# Altium PCB IT_Asset_Tracking_Rack_Controller-H743.PcbDoc (part 4 of 4)
Units mm, origin at the board's own origin, x right, y up, seen from the top; angles counter-clockwise.
Board outline 130 x 85 mm, 4 copper layers (Top Layer, MidLayer1, MidLayer2, Bottom Layer), stack 1.98 mm thick; 255 components, 233 nets, 1248 pads, 674 vias.
Unrouted connection lines stored in the file: 9.
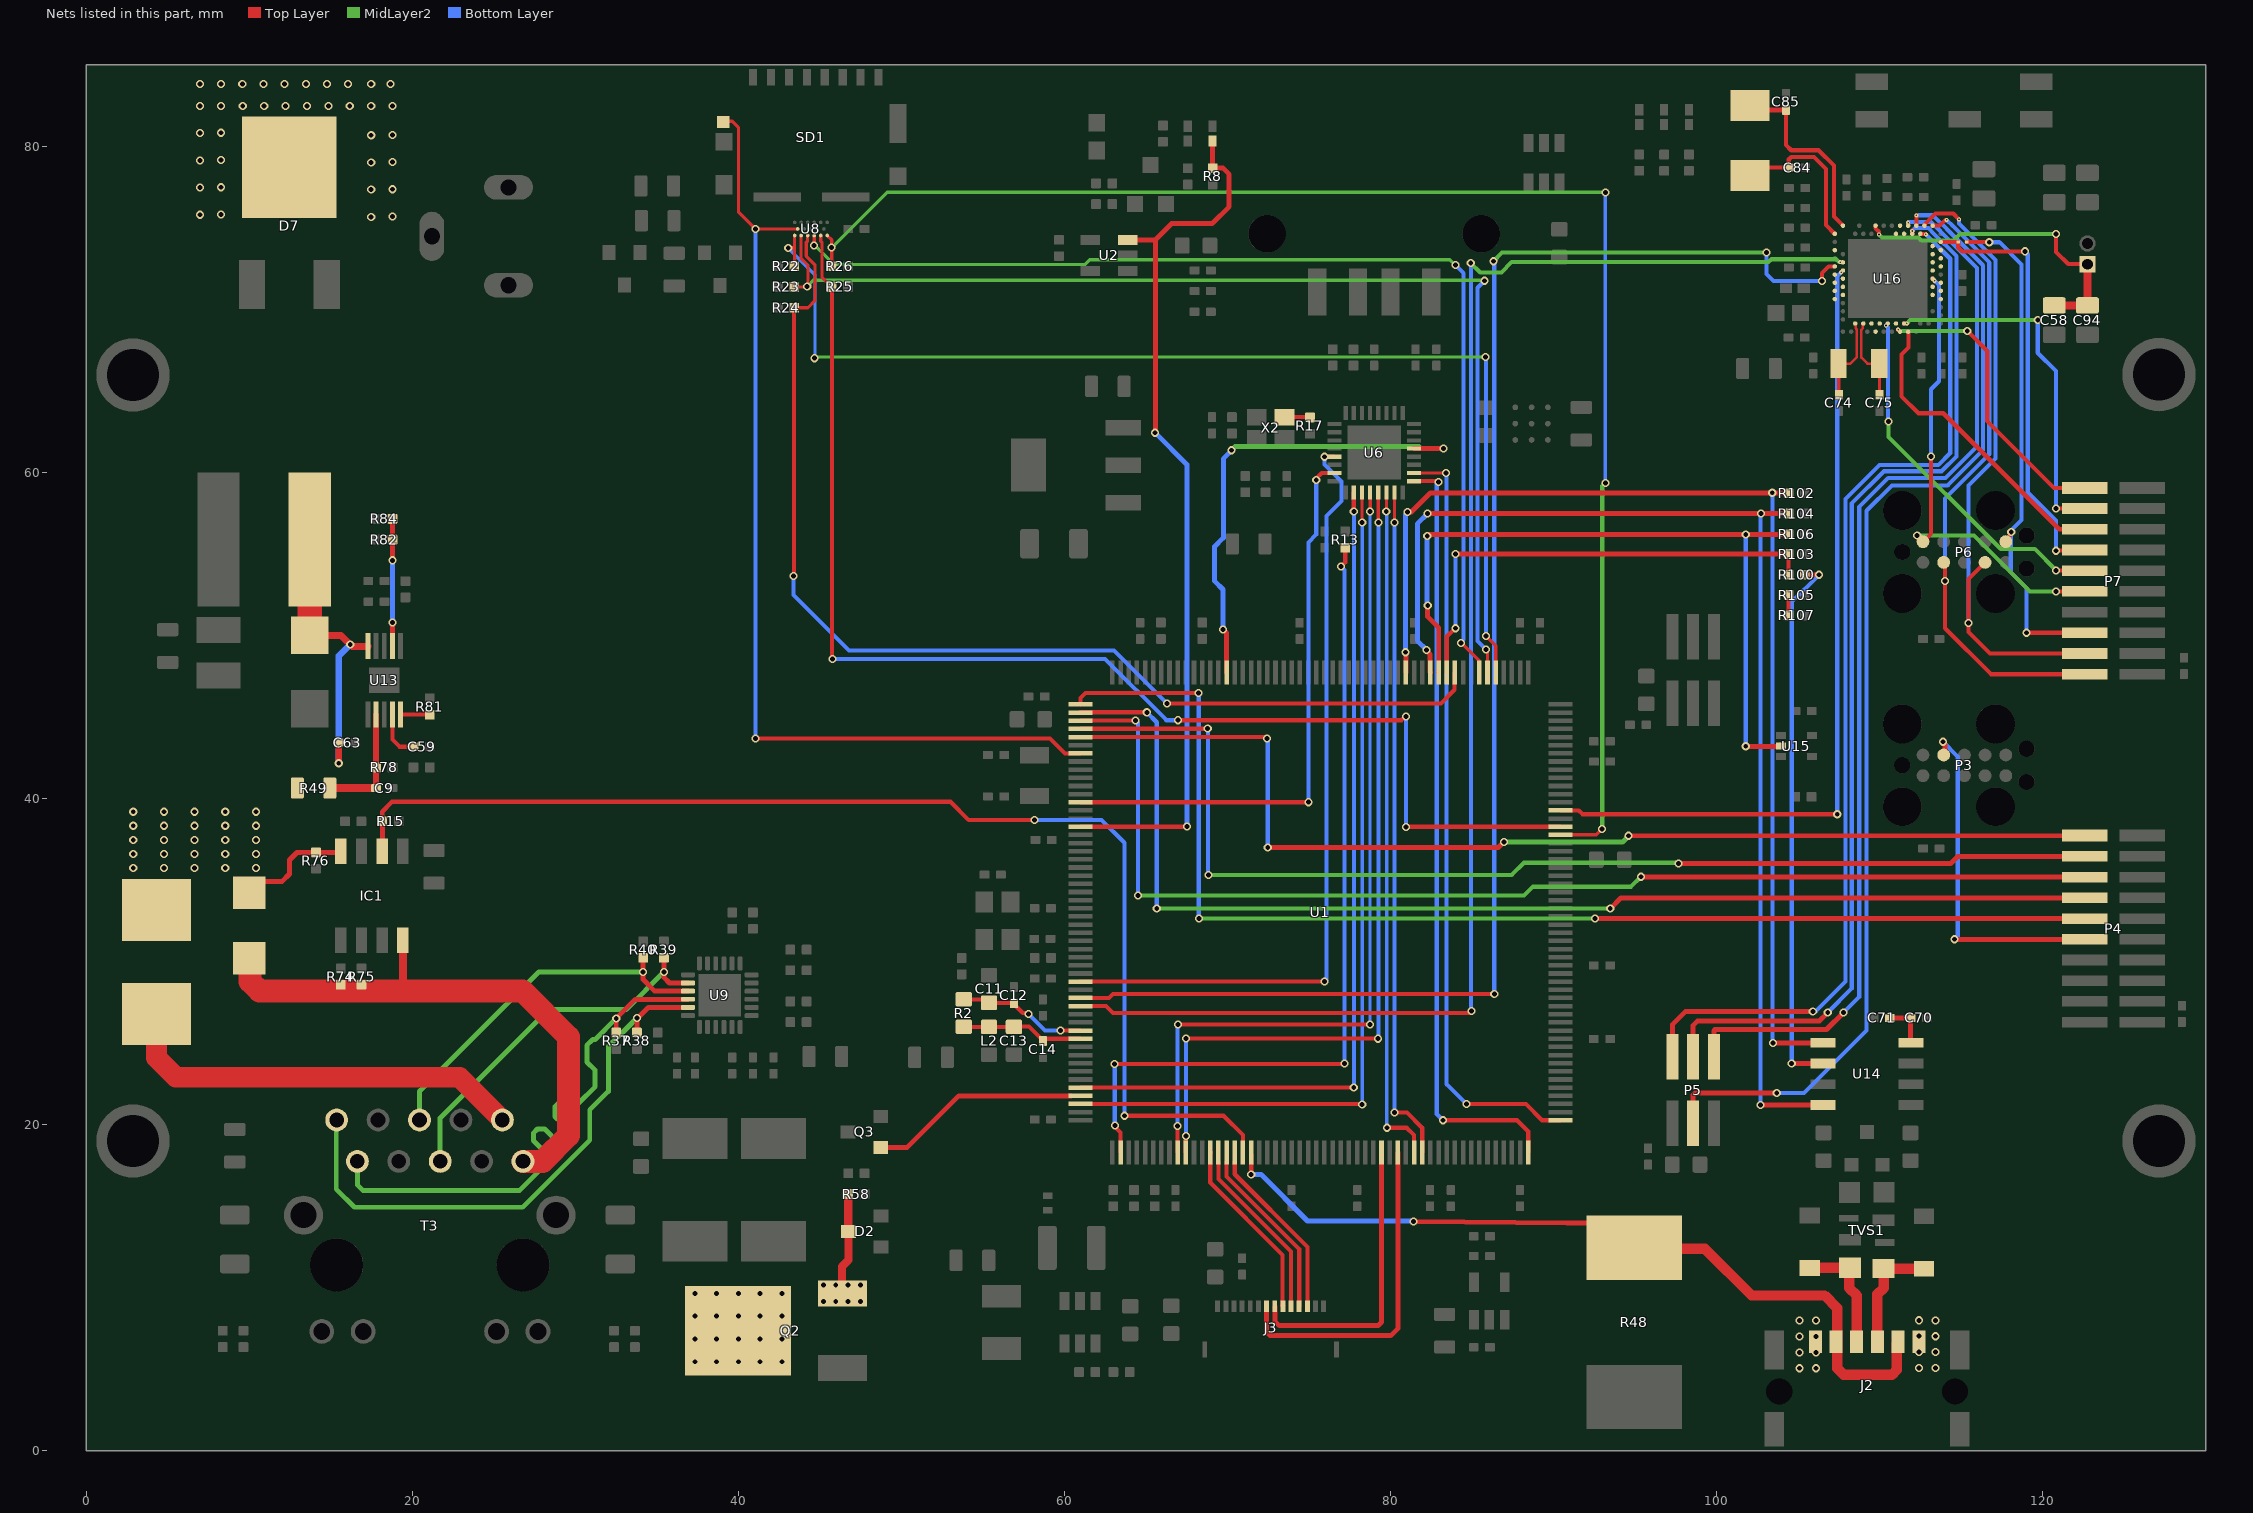
[diagram p6: the nets of this part, all layers, seen from the top]

## Via types
v1: diameter 0.5, hole 0.3, Top Layer to Bottom Layer, tented both sides, 626 vias
v2: diameter 0.61, hole 0.305, Top Layer to Bottom Layer, tented both sides, 16 vias
v3: diameter 0.25, hole 0.1, Top Layer to Bottom Layer, tented both sides, 16 vias
v4: diameter 0.6, hole 0.3, Top Layer to Bottom Layer, tented both sides, 9 vias
v5: diameter 0.3, hole 0.2, Top Layer to Bottom Layer, tented bottom, 5 vias
v6: diameter 0.5, hole 0.3, Top Layer to Bottom Layer, 2 vias

## Nets (pads, with @x,y where several pads share a name; then routed paths per layer and width w, separated by ;. In a path a pad name is that pad's centre, name@x,y a point inside that pad or via, vN(x,y) a via of type N, cw(c..) or ccw(c..) an arc to the next point about the centre after c; other vN are vias at no path point) (continued)
NFC2: C58.2 C94.2 P1.1 U16.J24 | length 19.7
  Top Layer w0.254: U16.J24@109.74,75.132 109.744,75.128 109.744,74.97 109.957,74.758 v3@109.957,74.6 ; v1(120.802,74.621) 120.802,73.525 121.556,72.771 P1.1@122.736,72.771
  Top Layer w0.508: C58.2@120.701,70.242 C94.2@122.733,70.242 122.734,70.244 122.734,72.769 P1.1@122.736,72.771
  MidLayer2 w0.254: v3(109.955,74.594) 109.955,74.576 110.134,74.397 112.366,74.397 112.543,74.219 114.529,74.219 114.932,74.621 v1(120.802,74.621)
NJTRST: P3.9 P4.10 | length 21.5
  Top Layer w0.305: v1(113.868,43.485) 114.011,43.342 114.011,42.764 P3.9@113.919,42.672 ; v1(114.579,31.369) 122.466,31.369 122.517,31.42 P4.10@122.568,31.369
  Bottom Layer w0.254: v1(113.868,43.485) 114.779,42.574 114.779,31.568 v1(114.579,31.369)
NRF_CTS: P5.4 U16.V23 | length 65.9
  Top Layer w0.254: U16.V23@111.99,74.632 v3@111.99,74.831
  Top Layer w0.305: P5.4@98.552,24.155 98.552,26.09 98.827,26.365 106.299,26.365 v1(106.807,26.873)
  Bottom Layer w0.254: v1(106.807,26.873) 108.276,28.342 108.276,58.086 110.261,60.071 113.792,60.071 114.702,60.981 114.702,73.26 113.335,74.627 113.335,74.631 112.985,74.981 112.166,74.981 v3(111.989,74.803)
NRF_MISO: U1.37 U16.A16 | length 93.7
  Top Layer w0.254: U1.37@60.973,27.77 62.72,27.77 62.967,28.016 v1(86.36,28.016) ; v1(106.451,71.735) 106.451,72.217 106.866,72.632 U16.A16@107.24,72.632
  MidLayer2 w0.254: v1(86.309,72.949) 86.843,73.482 v1(103.048,73.482)
  Bottom Layer w0.254: v1(86.309,72.949) 86.36,72.898 v1(86.36,28.016) ; v1(103.048,73.482) 103.048,72.165 103.477,71.735 v1(106.451,71.735)
NRF_MOSI: U1.38 U16.B17 | length 93.6
  Top Layer w0.203: v3(107.569,72.898) 107.577,72.89 107.732,72.89 U16.B17@107.74,72.882
  Top Layer w0.254: U1.38@60.973,27.27 62.544,27.27 62.967,26.848 84.836,26.848 v1(84.963,26.975)
  MidLayer2 w0.254: v1(84.912,72.847) 85.496,72.263 86.792,72.263 87.427,72.898 103.176,72.898 103.35,73.072 107.316,73.072 107.49,72.898 v3(107.569,72.898)
  Bottom Layer w0.254: v1(84.912,72.847) 84.938,72.822 84.938,27 v1(84.963,26.975)
NRF_RESET: P6.10 P7.10 U16.AC13 | length 28.9
  Top Layer w0.254: v1(112.293,56.134) 112.293,56.109 P6.10@112.649,55.753 113.132,56.236 v1(113.132,60.985) ; U16.AC13@113.24,71.882 113.24,71.876 v3(113.36,71.755) ; v1(120.802,52.705) P7.10@122.568,52.705
  MidLayer2 w0.254: v1(112.293,56.134) 115.773,56.134 119.202,52.705 v1(120.802,52.705)
  Bottom Layer w0.254: v1(113.132,60.985) 113.132,65.1 113.623,65.592 113.623,71.492 v3(113.36,71.755)
NRF_RTS: P5.2 U16.Y23 | length 65.3
  Top Layer w0.254: U16.Y23@112.49,74.632 112.494,74.628 112.799,74.628 v3(112.827,74.6)
  Top Layer w0.305: P5.2@97.282,24.155 97.282,26.136 98.095,26.949 v1(105.893,26.949)
  Bottom Layer w0.254: v1(105.893,26.949) 106.07,26.949 107.895,28.774 107.895,58.364 109.984,60.452 113.589,60.452 114.321,61.185 114.321,73.102 112.954,74.47 112.954,74.473 v3(112.827,74.6)
NRF_RX: P5.3 U16.W24 | length 71.8
  Top Layer w0.254: U16.W24@112.243,75.185 v3(112.243,75.768)
  Top Layer w0.305: P5.3@98.552,20.091 98.552,21.819 98.679,21.946 v1(103.683,21.946)
  Bottom Layer w0.254: v1(103.683,21.946) 105.361,21.946 109.195,25.779 109.195,25.857 109.195,57.649 110.743,59.198 114.164,59.198 116.336,61.37 116.336,72.704 114.097,74.943 114.097,74.946 113.275,75.768 v3(112.243,75.768)
NRF_SCK: U1.143 U16.B15 | length 50.6
  Top Layer w0.203: v3@107.632,72.274 U16.B15@107.74,72.382
  Top Layer w0.254: U1.143@90.411,39.27 91.54,39.27 91.77,39.04 v1(107.391,39.04)
  Bottom Layer w0.254: v1(107.391,39.04) 107.391,72.034 v3@107.628,72.271
  other v3: 107.63,72.271
NRF_SWDCK: P6.4 P7.4 U16.AA24 | length 41.3
  Top Layer w0.254: U16.AA24@112.74,75.132 112.74,75.199 113.411,75.87 114.503,75.87 v3(114.859,75.514) ; P6.4@116.459,54.483 115.443,53.467 v1(115.443,50.775) 115.443,50.216 116.764,48.895 P7.4@122.568,48.895
  Bottom Layer w0.254: v3(114.859,75.514) 114.859,75.259 117.098,73.019 117.098,60.862 115.443,59.207 v1(115.443,50.775)
NRF_SWDIO: P6.2 P7.2 U16.AC24 | length 39.2
  Top Layer w0.254: U16.AC24@113.24,75.132 113.244,75.136 113.669,75.136 114.022,75.489 v3(114.097,75.489) ; P6.2@113.919,54.483 113.995,54.407 v1(113.995,53.34) 113.995,50.444 116.815,47.625 P7.2@122.568,47.625
  Bottom Layer w0.254: v1(113.995,53.34) 113.995,58.395 116.717,61.116 116.717,72.862 114.478,75.101 114.478,75.108 v3(114.097,75.489)
NRF_SWO: NT3.1 P6.6 P7.6 | length 31.5
  Top Layer w0.254: NT3.1@115.324,74.132 115.697,74.132 ; 115.722,74.128 116.702,74.128 v1(116.713,74.117) ; P6.6@117.729,55.753 117.729,55.897 118.012,56.18 118.012,56.29 v1(118.059,56.337) ; v1(118.999,50.165) P7.6@122.568,50.165
  Bottom Layer w0.254: v1(116.713,74.117) 117.329,74.117 118.694,72.752 118.694,57.074 118.059,56.439 v1(118.059,56.337) 118.034,56.312 118.034,53.873 118.999,52.908 v1(118.999,50.165)
NRF_TRACECK: P7.12 U16.M2 | length 22.5
  Top Layer w0.152: v3(110.382,69.012) 110.382,69.018 110.49,69.126 U16.M2@110.49,69.132 U16.M2@110.472,69.132
  Top Layer w0.254: v1(120.802,53.975) P7.12@122.568,53.975
  MidLayer2 w0.254: v1(110.532,63.119) 110.532,62.181 117.418,55.296 119.507,55.296 120.802,54 v1(120.802,53.975)
  Bottom Layer w0.254: v3(110.382,69.012) 110.511,68.883 110.511,63.14 v1(110.532,63.119)
NRF_TRACED0: NT3.2 P7.14 U16.AD22 | length 26.5
  Top Layer w0.127: NT3.2@114.812,74.128 NT3.2@114.816,74.132
  Top Layer w0.254: U16.AD22@113.74,74.132 NT3.2@114.816,74.132 ; NT3.2@114.812,74.128 114.812,73.802 115.056,73.558 v1(118.897,73.558) ; v1(120.802,55.194) 120.828,55.22 122.543,55.22 P7.14@122.568,55.245
  Bottom Layer w0.254: v1(118.897,73.558) 119.075,73.381 119.075,58.776 120.802,57.048 v1(120.802,55.194)
NRF_TRACED1: P7.16 U16.U1 | length 18.8
  Top Layer w0.254: U16.U1@111.74,68.632 111.756,68.616 111.756,67.662 111.328,67.234 111.328,64.668 112.37,63.627 113.894,63.627 121.006,56.515 P7.16@122.568,56.515
NRF_TRACED2: P7.18 U16.T2 | length 22.1
  Top Layer w0.254: U16.T2@111.49,69.132 111.494,69.136 111.656,69.136 v3(111.658,69.139) ; v1(120.802,57.785) P7.18@122.568,57.785
  MidLayer2 w0.254: v3(111.658,69.139) 111.862,69.342 v1(119.685,69.342)
  Bottom Layer w0.254: v1(119.685,69.342) 119.685,67.335 120.802,66.218 v1(120.802,57.785)
NRF_TRACED3: P7.20 U16.R1 | length 18.2
  Top Layer w0.254: v3(111.125,68.758) 111.125,68.753 111.24,68.638 U16.R1@111.24,68.632 ; v1(115.367,68.682) 116.586,67.462 116.586,63.144 120.675,59.055 P7.20@122.568,59.055
  MidLayer2 w0.254: v3(111.125,68.758) 111.201,68.682 v1(115.367,68.682)
NRF_TX: P5.6 U16.U24 | length 66.7
  Top Layer w0.254: v3(111.735,75.311) 111.735,75.137 U16.U24@111.74,75.132
  Top Layer w0.305: P5.6@99.822,24.155 99.822,25.756 99.898,25.832 106.731,25.832 v1(107.772,26.873)
  Bottom Layer w0.254: v1(107.772,26.873) 108.737,27.838 108.737,37.418 108.737,57.887 110.515,59.665 114.021,59.665 115.955,61.599 115.955,72.546 113.716,74.785 113.716,74.788 113.142,75.362 111.785,75.362 v3(111.735,75.311)
OLED_CSB: J3.4 U1.67 | length 10.7
  Top Layer w0.254: U1.67@69.942,17.716 69.942,16.824 74.394,12.372 J3.4@74.394,8.866
OLED_DC: J3.6 U1.65 | length 11.3
  Top Layer w0.254: U1.65@68.942,18.301 68.942,16.453 73.381,12.014 J3.6@73.381,8.915
  Top Layer w0.305: U1.65@68.942,18.301 U1.65@68.942,18.339 ; J3.6@73.381,8.915 J3.6@73.392,8.904
OLED_FR: J3.3 U1.68 | length 10.7
  Top Layer w0.254: U1.68@70.442,17.716 70.442,16.959 74.894,12.507 J3.3@74.894,8.866
OLED_RSTB: J3.5 U1.66 | length 10.7
  Top Layer w0.254: U1.66@69.442,17.716 69.442,16.664 73.894,12.212 J3.5@73.894,8.866
OLED_SCLK: J3.7 U1.86 | length 18.1
  Top Layer w0.305: J3.7@72.898,8.865 72.898,7.95 73.177,7.671 79.223,7.671 79.442,7.89 U1.86@79.442,18.301
OLED_SDIN: J3.8 U1.88 | length 20.7
  Top Layer w0.305: J3.8@72.39,8.89 72.39,7.29 72.619,7.061 80.01,7.061 80.442,7.493 U1.88@80.442,18.301
OSC_24MHZ: R17.1 X2.3 | length 1.8
  Top Layer w0.254: X2.3@73.494,63.388 75.034,63.388 R17.1@75.057,63.365 R17.1@75.184,63.238
P0.02/AIN0: U16.A12
P0.03/AIN1: U16.B13
P0.04/AIN2: U16.J1
P0.05/AIN3: U16.K2
P0.13: U16.AD8
P0.14: U16.AC9
P0.15: U16.AD10
P0.16: U16.AC11
P0.17: U16.AD12
P0.19: U16.AC15
P0.20: U16.AD16
P0.21: U16.AC17
P0.22: U16.AD18
P0.23: U16.AC19
P0.24: U16.AD20
P0.25: U16.AC21
P0.27: U16.H2
P0.29/AIN4: U16.B11
P0.29/AIN5: U16.A10
P0.30/AIN6: U16.B9
P0.31/AIN7: U16.A8
P1.05: U16.T23
P1.06: U16.R24
P1.07: U16.P23
P1.08: U16.P2
P1.11: U16.A20
P1.15: U16.A14
PGOOD: IC1.6 R15.2 U1.69 | length 74.8
  Top Layer w0.254: R15.2@18.161,38.616 18.161,39.191 18.771,39.802 53.01,39.802 54.127,38.684 v1(58.166,38.684) ; v1(63.678,20.549) 69.75,20.549 70.942,19.357 U1.69@70.942,18.301
  Top Layer w0.305: IC1.6@18.161,36.761 18.165,36.765 18.165,38.604 R15.2@18.169,38.608 R15.2@18.161,38.616
  Bottom Layer w0.254: v1(58.166,38.684) 62.281,38.684 63.678,37.287 v1(63.678,20.549)
PH: C63.1 D9.1 L4.1 U13.10 | length 18.6
  Top Layer w0.305: v1(15.494,42.164) v1@15.498,42.168 ; C63.1@15.498,43.43 C63.1@15.502,43.434
  Top Layer w0.406: D9.1@13.716,50.002 15.632,50.002 16.18,49.454 v1(16.199,49.454) 16.326,49.327 17.288,49.327 U13.10@17.288,49.344 ; v1@15.498,42.168 C63.1@15.498,43.43
  Top Layer w1.27: D9.1@13.716,50.002 D9.1@13.719,50.005 ; L4.1@13.719,55.877 L4.1@13.722,55.88
  Top Layer w1.524: D9.1@13.719,50.005 L4.1@13.719,55.877
  Bottom Layer w0.406: v1(15.494,42.164) 15.494,48.749 v1(16.199,49.454)
RE_U14: R100.1 U14.2 | length 33.5
  Top Layer w0.254: R100.1@105.402,53.721 v1(106.274,53.721)
  Top Layer w0.305: v1(104.597,23.749) U14.2@106.52,23.749
  Bottom Layer w0.254: v1(104.597,23.749) 104.597,52.045 v1(106.274,53.721)
RS485_BE: R105.2 R107.2 | length 1.2
  Top Layer w0.254: R107.2@104.402,51.232 R105.2@104.402,52.476
RS485_CTS: R100.2 R103.2 U1.167 | length 29.2
  Top Layer w0.254: U1.167@83.442,47.739 83.442,49.935 83.947,50.44 v1(83.972,50.444) ; R100.2@104.402,53.721 R103.2@104.402,54.991
  Top Layer w0.305: v1(83.972,54.991) 101.067,54.991 R103.2@104.402,54.991
  Bottom Layer w0.254: v1(83.972,50.444) v1(83.972,54.991)
RS485_N: D11.2 J2.4 TVS1.4 | length 7.2
  Top Layer w0.635: D11.2@105.719,11.221 TVS1.4@108.128,11.221 ; TVS1.4@108.166,11.221 TVS1.4@108.128,11.221 ; J2.4@108.585,6.687 108.585,9.525 108.128,9.982 TVS1.4@108.128,11.221
RS485_P: D12.2 J2.3 TVS1.5 | length 7.1
  Top Layer w0.635: J2.3@109.855,6.687 109.855,9.423 109.855,9.601 110.235,9.981 110.235,11.169 D12.2@112.705,11.169
RS485_RTS: R106.2 U1.168 U15.2 | length 45.9
  Top Layer w0.305: v1(82.245,56.109) 82.321,56.185 v1(101.778,56.185) 104.377,56.185 R106.2@104.402,56.21 ; v1(82.276,51.841) 82.271,51.836 82.271,51.154 82.952,50.472 82.952,47.75 U1.168@82.942,47.739 ; v1(101.778,43.205) 103.774,43.205 U15.2@103.787,43.193 ; U15.2@103.884,43.278 U15.2@103.942,43.22
  Bottom Layer w0.254: v1(101.778,43.205) v1(101.778,56.185)
  Bottom Layer w0.305: v1(82.245,56.109) 82.245,51.872 v1(82.276,51.841)
RS485_RXD: R102.2 U1.172 U14.1 | length 70.6
  Top Layer w0.305: v1(80.924,48.971) 80.933,48.962 80.933,47.748 U1.172@80.942,47.739 ; v1(81.026,57.582) 81.28,57.582 82.448,58.75 v1(103.403,58.75) 104.377,58.75 R102.2@104.402,58.725 ; v1(103.454,25.019) U14.1@106.52,25.019
  MidLayer2 w0.254: v1(103.403,58.75) v1@103.416,58.737
  Bottom Layer w0.254: v1(103.403,58.75) 103.429,58.725 103.429,25.044 v1(103.454,25.019)
  Bottom Layer w0.305: v1(80.924,48.971) 80.924,57.427 81.026,57.529 v1(81.026,57.582)
RS485_TXD: R104.2 U1.169 U14.4 | length 72.6
  Top Layer w0.305: v1(82.2,49.118) 82.2,49.065 82.429,48.836 82.429,47.752 U1.169@82.442,47.739 ; v1(82.271,57.48) v1(102.718,57.48) R104.2@104.402,57.48 ; v1(102.692,21.209) 106.418,21.209 106.469,21.158 U14.4@106.52,21.209
  MidLayer2 w0.254: v1@102.692,57.455 v1(102.718,57.48)
  Bottom Layer w0.254: v1(102.692,21.209) 102.692,37.236 v1@102.692,57.455
  Bottom Layer w0.305: v1(82.2,49.118) 81.64,49.678 81.64,56.849 v1(82.271,57.48)
RT_CLK: R81.1 U13.5 | length 1.8
  Top Layer w0.254: U13.5@19.288,45.144 R81.1@21.082,45.144
RXI_N: R37.2 T3.2 U9.22 | length 35.7
  Top Layer w0.305: R37.2@32.512,25.654 v1(32.512,26.52) 33.682,27.69 U9.22@36.912,27.69
  MidLayer2 w0.305: T3.2@16.637,17.75 16.637,16.307 16.993,15.951 26.568,15.951 28.334,17.717 28.334,18.123 27.432,19.025 27.432,19.481 27.687,19.736 28.118,19.736 28.966,18.888 29.404,18.888 29.667,19.152 29.667,19.583 29.108,20.142 ; 29.396,19.855 29.108,20.142 ; v1(32.512,26.52) 31.217,25.225 31.072,25.225 30.713,24.865 30.713,23.848 31.217,23.344 31.217,22.327 30.226,21.336 28.981,21.336 28.753,21.107 28.753,20.498 29.108,20.142
RXI_P: R38.2 T3.1 U9.23 | length 34.9
  Top Layer w0.305: R38.2@33.782,25.654 v1(33.782,26.543) 33.835,26.543 34.482,27.19 U9.23@36.912,27.19
  MidLayer2 w0.305: T3.1@15.367,20.29 15.342,20.264 15.342,16.05 16.456,14.935 26.774,14.935 30.888,19.049 30.888,20.906 32.029,22.047 32.029,24.79 v1(33.782,26.543)
SDMMC1_CK: U1.163 U8.I3 | length 66.4
  Top Layer w0.203: v1(44.65,73.909) U8.I3@44.65,74.53 ; v1(84.328,49.53) 84.351,49.53 85.442,48.439 U1.163@85.442,47.739
  MidLayer2 w0.203: v1(44.65,73.909) 44.709,73.909 45.868,72.75 61.243,72.75 61.543,73.05 83.642,73.05 v1(83.972,72.72)
  Bottom Layer w0.254: v1(83.972,72.72) 84.476,72.216 84.476,49.745 84.328,49.597 v1(84.328,49.53)
SDMMC1_CMD: R24.2 U1.166 U8.I4 | length 68.1
  Top Layer w0.203: R24.2@43.426,70.104 44.272,70.104 44.7,70.532 44.7,72.738 44.171,73.267 44.171,74.108 44.247,74.183 44.247,74.527 U8.I4@44.25,74.53
  Top Layer w0.254: v1(43.383,53.645) 43.405,53.666 43.405,70.083 R24.2@43.426,70.104 ; v1(66.279,45.822) 83.08,45.822 83.929,46.671 83.929,47.727 U1.166@83.942,47.739
  Bottom Layer w0.254: v1(43.383,53.645) 43.383,52.476 46.787,49.073 63.028,49.073 v1(66.279,45.822)
SDMMC1_D0: R26.2 U1.140 U8.I1 | length 92.7
  Top Layer w0.203: U8.I1@45.45,74.53 45.45,74.525 45.72,74.255 v1(45.72,73.783) 45.72,72.652 R26.2@45.728,72.644 ; U1.140@90.411,37.77 92.609,37.77 ; v1(92.964,38.125) 92.964,38.112 92.622,37.77 ; 92.609,37.77 92.622,37.77 ; 92.609,37.77 92.622,37.77
  MidLayer2 w0.203: v1(45.72,73.783) 49.123,77.187 93.148,77.187 v1(93.169,77.165)
  MidLayer2 w0.254: v1(92.964,38.125) 92.977,38.138 92.977,59.167 v1(93.169,59.36)
  Bottom Layer w0.203: v1@93.169,59.352 v1(93.169,59.36) 93.169,76.477 v1(93.169,77.165)
SDMMC1_D1: R25.2 U1.141 U8.I2 | length 79.4
  Top Layer w0.203: U8.I2@45.05,74.53 45.053,74.527 45.053,74.183 45.129,74.108 45.129,71.973 R25.2@45.728,71.374
  Top Layer w0.254: R25.2@45.728,71.374 45.749,71.353 45.749,48.586 v1(45.771,48.565) ; v1(66.954,44.806) 80.67,44.806 80.899,45.034 v1(80.95,45.034) ; v1(80.95,38.252) 80.967,38.27 U1.141@90.411,38.27 U1.141@90.407,38.274
  Bottom Layer w0.254: v1(45.771,48.565) 62.486,48.565 66.245,44.806 v1(66.954,44.806) ; v1(80.95,38.252) v1(80.95,45.034)
SDMMC1_D2: R22.2 U1.161 U8.I6 | length 70.5
  Top Layer w0.203: v1(43.058,73.762) 43.08,73.783 43.45,73.783 ; U8.I6@43.45,74.555 U8.I6@43.45,74.53 43.45,73.783 ; R22.2@43.45,72.668 43.45,73.783 ; v1(85.852,49.962) 86.442,49.372 U1.161@86.442,47.739
  MidLayer2 w0.203: v1(44.679,67.005) 44.755,67.081 v1(85.827,67.081)
  Bottom Layer w0.203: v1(43.058,73.762) 44.7,72.12 44.7,67.027 v1(44.679,67.005)
  Bottom Layer w0.254: v1(85.827,67.081) 85.852,67.056 v1(85.852,49.962)
SDMMC1_D3: R23.2 U1.162 U8.I5 | length 70.1
  Top Layer w0.203: R23.2@43.426,71.374 44.196,71.374 v1(44.221,71.399) ; U8.I5@43.85,74.53 43.85,74.525 43.841,74.517 43.841,73.13 44.272,72.699 v1@44.272,71.603 ; v1(85.844,49.146) 85.942,49.048 U1.162@85.942,47.739
  MidLayer2 w0.203: v1(44.221,71.399) 44.598,71.776 85.729,71.776 v1(85.75,71.755)
  Bottom Layer w0.254: v1(85.75,71.755) 85.319,71.323 85.319,49.671 v1(85.844,49.146)
SS_TR: C59.2 U13.4 | length 3
  Top Layer w0.254: U13.4@18.788,45.144 18.788,43.617 19.225,43.18 C59.2@20.074,43.18
TRACECK: P4.12 U1.1 | length 75.9
  Top Layer w0.254: U1.1@60.973,45.77 60.973,46.155 61.299,46.482 v1(68.224,46.482)
  Top Layer w0.305: v1(92.532,32.639) P4.12@122.568,32.639
  MidLayer2 w0.254: v1(68.25,32.639) v1@92.507,32.639
  Bottom Layer w0.254: v1(68.224,46.482) 68.237,46.469 68.237,32.677 v1(68.25,32.639)
TRACED0: P4.14 U1.2 | length 73.6
  Top Layer w0.254: U1.2@60.973,45.27 60.991,45.288 v1(65.049,45.288)
  Top Layer w0.305: v1(93.472,33.249) 94.132,33.909 P4.14@122.568,33.909
  MidLayer2 w0.254: v1(65.659,33.249) v1(93.472,33.249)
  Bottom Layer w0.254: v1(65.049,45.288) 65.659,44.679 v1(65.659,33.249)
TRACED1: P4.16 U1.3 | length 72.7
  Top Layer w0.254: U1.3@60.973,44.77 60.978,44.775 64.358,44.775 v1(64.364,44.78)
  Top Layer w0.305: v1(95.356,35.204) 95.368,35.192 122.555,35.192 P4.16@122.568,35.179
  MidLayer2 w0.254: v1(64.516,34.061) 88.189,34.061 88.722,34.595 94.746,34.595 v1(95.356,35.204)
  Bottom Layer w0.254: v1(64.364,44.78) 64.516,44.628 v1(64.516,34.061)
TRACED2: P4.18 U1.4 | length 71.1
  Top Layer w0.254: U1.4@60.973,44.27 60.979,44.276 68.762,44.276 v1(68.783,44.298)
  Top Layer w0.305: v1(97.663,36.017) 114.351,36.017 114.783,36.449 P4.18@122.568,36.449
  MidLayer2 w0.254: v1(68.834,35.306) 87.427,35.306 88.185,36.064 97.616,36.064 v1(97.663,36.017)
  Bottom Layer w0.254: v1(68.783,44.298) 68.809,44.272 68.809,35.331 v1(68.834,35.306)
TRACED3: P4.20 U1.5 | length 68.5
  Top Layer w0.254: U1.5@61.036,43.77 72.333,43.77 v1(72.415,43.688)
  Top Layer w0.305: v1(72.466,37.008) 86.614,37.008 v1(86.944,37.338) ; v1(94.59,37.719) P4.20@122.568,37.719
  MidLayer2 w0.305: v1(86.944,37.338) 94.234,37.338 94.59,37.694 v1(94.59,37.719)
  Bottom Layer w0.254: v1(72.415,43.688) 72.466,43.637 v1(72.466,37.008)
TXO_N: R39.2 T3.6 U9.20 | length 22.9
  Top Layer w0.305: R39.2@35.433,30.234 v1(35.433,29.362) 35.433,29.032 35.775,28.69 U9.20@36.912,28.69
  MidLayer2 w0.305: T3.6@21.717,17.75 21.717,20.405 28.362,27.05 33.12,27.05 v1(35.433,29.362)
TXO_P: R40.2 T3.5 U9.21 | length 22.9
  Top Layer w0.305: R40.2@34.163,30.234 v1(34.163,29.362) 34.163,28.899 34.872,28.19 U9.21@36.912,28.19
  MidLayer2 w0.305: T3.5@20.447,20.29 20.447,22.05 27.759,29.362 v1(34.163,29.362)
USB_CK: R13.1 U1.54 | length 51.5
  Top Layer w0.254: v1(63.068,23.724) 77.14,23.724 v1(77.165,23.749) ; v1(63.094,19.939) 63.094,19.872 63.446,19.52 63.446,18.304 U1.54@63.442,18.301 ; v1(76.962,54.229) 77.216,54.483 R13.1@77.216,55.38
  Bottom Layer w0.254: v1(63.094,19.939) 63.081,19.952 63.081,23.685 v1@63.094,23.698 ; v1(76.962,54.229) 77.165,54.026 v1(77.165,23.749)
USB_D0: U1.50 U6.3 | length 54.8
  Top Layer w0.203: v1@78.244,56.935 U6.3@78.244,58.779
  Top Layer w0.254: U1.50@60.973,21.27 78.222,21.27 v1(78.257,21.234) ; v1@78.244,56.935 v1(78.257,56.921)
  Bottom Layer w0.203: v1(78.257,21.234) v1(78.257,56.921)
USB_D1: U1.61 U6.4 | length 52.3
  Top Layer w0.203: v1@78.744,57.611 U6.4@78.744,58.779
  Top Layer w0.254: U1.61@66.942,18.301 v1(66.942,19.914) ; v1(66.954,26.137) v1(78.74,26.137) ; v1(78.74,57.607) v1@78.744,57.611
  Bottom Layer w0.203: v1(78.74,26.137) v1(78.74,57.607)
  Bottom Layer w0.254: v1(66.942,19.914) 66.942,26.124 v1(66.954,26.137)
USB_D2: U1.62 U6.5 | length 52.3
  Top Layer w0.203: v1@79.244,56.9 U6.5@79.244,58.779
  Top Layer w0.254: U1.62@67.442,18.301 67.442,19.284 v1(67.462,19.304) ; v1(67.45,25.286) 79.21,25.286 v1(79.223,25.273) ; v1@79.244,56.9 v1@79.248,56.896
  Bottom Layer w0.254: v1(67.45,25.286) 67.462,25.273 v1(67.462,19.304) ; v1(79.223,25.273) 79.248,25.298 v1@79.248,56.896
  other v1: 79.248,56.921
USB_D3: U1.90 U6.6 | length 41.9
  Top Layer w0.203: v1@79.744,57.646 U6.6@79.744,58.779
  Top Layer w0.254: v1@79.731,57.633 v1@79.744,57.646 ; v1(79.781,19.812) 80.987,19.812 81.442,19.357 U1.90@81.442,18.301
  Bottom Layer w0.203: v1@79.756,57.607 79.756,19.837 v1(79.781,19.812)
  Bottom Layer w0.254: v1@79.731,57.633 v1@79.756,57.607
  other v1: 79.731,57.607
USB_D4: U1.91 U6.7 | length 41.6
  Top Layer w0.203: v1@80.241,56.884 80.241,58.776 U6.7@80.244,58.779
  Top Layer w0.254: v1(80.239,20.752) 80.999,20.752 81.942,19.808 U1.91@81.942,18.301
  Bottom Layer w0.254: v1(80.239,20.752) v1@80.239,56.871
  other v1: 80.239,56.921
USB_D5: U1.104 U6.9 | length 47.7
  Top Layer w0.254: U6.9@81.429,59.464 82.811,59.464 82.864,59.411 v1(82.931,59.411) ; v1(83.205,20.269) 87.757,20.269 88.442,19.584 U1.104@88.442,18.301
  Bottom Layer w0.254: v1(82.931,59.411) 82.829,59.309 82.829,20.645 v1(83.205,20.269)
USB_D6: U1.105 U6.10 | length 47.4
  Top Layer w0.203: U6.10@81.429,59.964 v1(83.408,59.964)
  Top Layer w0.254: v1(84.658,21.26) 88.304,21.26 89.294,20.27 U1.105@90.411,20.27
  Bottom Layer w0.254: v1(83.408,59.964) 83.435,59.937 83.435,22.483 v1(84.658,21.26)
USB_D7: U1.194 U6.13 | length 29.3
  Top Layer w0.305: v1(69.723,50.368) 69.942,50.149 U1.194@69.942,47.739 ; U6.13@81.429,61.464 83.105,61.464 83.109,61.468 v1(83.236,61.468)
  MidLayer2 w0.305: v1(70.237,61.362) 70.459,61.583 81.749,61.583 81.864,61.468 v1(83.236,61.468)
  Bottom Layer w0.305: v1(69.723,50.368) 69.723,52.817 69.215,53.325 69.215,55.461 69.744,55.99 69.744,60.832 70.237,61.325 v1(70.237,61.362)
USB_DIR: U1.13 U6.31 | length 35.3
  Top Layer w0.254: U1.13@60.973,39.77 74.949,39.77 v1(74.955,39.776) ; v1(75.438,59.541) 75.438,59.619 75.78,59.961 76.556,59.961 U6.31@76.559,59.964
  Bottom Layer w0.254: v1(74.955,39.776) 74.955,55.702 75.438,56.185 v1(75.438,59.541)
USB_NXT: U1.48 U6.2 | length 53.3
  Top Layer w0.254: U1.48@60.973,22.27 77.737,22.27 v1(77.741,22.274) ; U6.2@77.744,58.779 77.744,57.638 v1@77.749,57.633
  Bottom Layer w0.254: v1(77.741,22.274) 77.749,22.282 v1@77.749,57.633
  other v1: 77.744,57.611
USB_OverCurrent: LD1.1 R8.1 U1.16 U2.3 | length 55.2
  Top Layer w0.254: U1.16@60.998,38.27 67.505,38.27 v1(67.513,38.278)
  Top Layer w0.305: U2.3@63.888,74.255 65.569,74.255 ; v1(65.557,62.433) 65.569,62.444 65.569,74.255 ; LD1.1@69.088,80.322 R8.1@69.088,78.656 69.731,78.656 70.104,78.283 70.104,76.302 69.063,75.26 66.573,75.26 65.569,74.255
  Bottom Layer w0.305: v1(65.557,62.433) 67.513,60.477 v1(67.513,38.278)
USB_STP: U1.35 U6.29 | length 48.7
  Top Layer w0.254: U1.35@60.96,28.77 U1.35@60.973,28.77 75.76,28.77 v1(75.942,28.77) ; v1(75.946,60.96) 76.549,60.96 76.553,60.964 76.556,60.961 U6.29@76.559,60.964
  Bottom Layer w0.254: v1(75.942,28.77) 76.077,28.905 76.077,57.332 76.987,58.242 76.987,59.436 75.946,60.477 v1(75.946,60.96)
uSD_Detect: SD1.9 U1.7 U8.DET | length 61.9
  Top Layer w0.203: SD1.9@39.071,81.496 39.109,81.534 39.624,81.534 40.005,81.153 40.005,75.971 v1(41.046,74.93) U8.DET@43.65,74.93
  Top Layer w0.254: v1(41.046,43.688) 59.106,43.688 60.024,42.77 U1.7@60.973,42.77
  Bottom Layer w0.254: v1(41.046,43.688) v1(41.046,74.93)
V_MEA: J2.2 J2.5 R48.1 U1.70 | length 49.9
  Top Layer w0.254: v1(71.45,16.942) U1.70@71.45,18.136
  Top Layer w0.305: v1(81.407,14.072) 90.805,13.97 93.424,13.97 R48.1@94.945,12.449
  Top Layer w0.635: R48.1@94.945,12.449 94.999,12.395 99.263,12.395 102.133,9.525 106.614,9.525 107.391,8.747 107.391,5.068 107.785,4.674 110.753,4.674 111.049,4.969 111.049,6.611 J2.2@111.125,6.687
  Bottom Layer w0.305: v1(71.45,16.942) 72.06,16.942 74.905,14.097 81.382,14.097 v1(81.407,14.072)
V_POE+: F1.1 T3.9 | length 25.5
  Top Layer w1.27: F1.1@4.318,26.782 4.318,24.105 5.509,22.913 22.904,22.913 T3.9@25.527,20.29
V_POE-: D10.2 IC1.4 R74.2 R75.2 T3.10 | length 35
  Top Layer w0.508: IC1.4@19.431,31.311 19.431,28.245 19.482,28.194
  Top Layer w1.27: D10.2@10.008,30.214 D10.2@10.058,30.163
  Top Layer w1.397: D10.2@10.058,30.163 10.058,28.778 10.643,28.194 19.482,28.194 26.772,28.194 29.591,25.375 29.591,19.329 28.012,17.75 T3.10@26.797,17.75
VCC_ON: Q3.1 U1.49 | length 13
  Top Layer w0.305: Q3.1@48.727,18.608 50.358,18.608 53.52,21.77 U1.49@60.389,21.77
VCC_U14: C70.2 C71.2 U14.8 | length 2.8
  Top Layer w0.305: C71.2@110.609,26.543 C70.2@111.895,26.543 U14.8@111.895,25.044
VCCBUS: J2.1 J2.6 Q2.4
  other v1: 105.08,5.065 106.096,5.064 112.395,5.081 113.411,5.08 37.338,5.462 38.672,5.462 40.005,5.462 41.338,5.462 42.672,5.462 105.079,6.029 106.096,6.037 112.395,6.055 113.411,6.054 37.338,6.859 38.672,6.859 40.005,6.859 41.338,6.859 42.672,6.859 105.079,7.002 106.096,7.011 112.395,7.028 113.411,7.027 105.08,7.986 106.096,7.985 112.395,8.002 113.411,8.001 37.338,8.256 38.672,8.256 40.005,8.256 41.338,8.256 42.672,8.256 37.338,9.653 38.672,9.653 40.005,9.653 41.338,9.653 42.672,9.653
VDDA: C13.2 C14.2 L2.2 R2.1 U1.42 | length 7.5
  Top Layer w0.254: R2.1@53.848,26.01 53.861,25.997 L2.2@55.372,25.996 L2.2@55.372,25.996 ; L2.2@55.397,26.01 55.411,25.996 C13.2@56.896,25.996 ; C13.2@56.896,26.035 56.921,26.01 57.836,26.01 58.59,25.256 58.59,25.222 C14.2@58.674,25.138 ; C14.2@58.674,25.273 60.97,25.273 U1.42@60.973,25.27
VIN: C9.2 R49.2 R78.1 U13.2 | length 7.3
  Top Layer w0.356: C9.2@17.788,40.64 R78.1@17.788,41.91 U13.2@17.788,45.144
  Top Layer w0.508: R49.2@14.945,40.64 C9.2@17.788,40.64
VPORTP: D2.3 D7.4 D10.1 F1.2 IC1.8 Q2.3 R49.1 R58.1 R76.1 | length 13.7
  Top Layer w0.305: D10.1@10.008,34.214 10.719,34.925 12.022,34.925 12.471,35.374 12.471,36.229 12.938,36.695 R76.1@14.097,36.695 15.555,36.695 IC1.8@15.621,36.761
  Top Layer w0.508: Q2.3@46.38,9.651 46.355,9.676 46.355,11.303 46.752,11.7 D2.3@46.752,13.462 46.748,13.466 46.748,15.744 R58.1@46.744,15.748
  Top Layer w0.635: D7.4@12.471,78.715 D7.4@12.675,78.918
  other v1: 45.212,9.144 45.974,9.144 46.736,9.144 47.498,9.144 45.212,10.16 45.974,10.16 46.736,10.16 47.498,10.16 2.896,35.738 4.775,35.738 6.655,35.738 8.534,35.738 10.414,35.738 2.896,36.601 4.775,36.601 6.655,36.601 8.534,36.601 10.414,36.601 2.896,37.465 4.775,37.465 6.655,37.465 8.534,37.465 10.414,37.465 2.896,38.329 4.775,38.329 6.655,38.329 8.534,38.329 10.414,38.329 2.896,39.192 4.775,39.192 6.655,39.192 8.534,39.192 10.414,39.192 17.484,75.672 18.796,75.695 6.985,75.799 8.283,75.822 17.484,77.341 18.796,77.364 6.985,77.468 8.283,77.491 17.484,79.01 18.796,79.033 6.985,79.137 8.283,79.16 17.484,80.679 18.796,80.702 6.985,80.806 8.283,80.829 6.985,82.475 8.283,82.475 9.61,82.475 10.922,82.475 12.234,82.475 13.547,82.475 14.859,82.475 16.171,82.475 17.484,82.475 18.796,82.475 6.985,83.82 8.283,83.82 9.581,83.82 10.88,83.82 12.178,83.82 13.476,83.82 14.774,83.82 16.073,83.82 17.484,83.82 18.669,83.82
VREF+: C11.2 C12.2 R2.2 U1.41 | length 8
  Top Layer w0.254: R2.2@53.848,27.686 55.118,27.686 C11.2@55.372,27.432 ; C11.2@55.372,27.471 C11.2@55.372,27.432 ; C12.2@56.896,27.44 56.881,27.456 55.396,27.456 C11.2@55.372,27.432 ; C12.2@56.921,27.457 56.921,27.365 57.442,26.844 57.738,26.844 v1(57.785,26.797) ; v1(59.766,25.781) 59.768,25.783 60.96,25.783 U1.41@60.973,25.77
  Bottom Layer w0.254: v1(57.785,26.797) 58.801,25.781 v1(59.766,25.781)
VSNS: R82.2 R84.1 U13.7 | length 7.8
  Top Layer w0.254: U13.7@18.788,49.344 U13.7@18.796,49.352
  Top Layer w0.305: v1(18.788,54.61) R82.2@18.788,55.88 R84.1@18.788,57.15 ; U13.7@18.796,49.352 v1(18.796,50.8)
  Bottom Layer w0.254: v1(18.788,54.61) v1@18.796,54.602
  Bottom Layer w0.305: v1(18.796,50.8) v1@18.796,54.602
XC1: C85.2 U16.B24 X6.2 | length 12.1
  Top Layer w0.254: C85.2@104.242,82.228 104.242,80.086 104.572,79.756 106.248,79.756 107.188,78.816 107.188,75.684 U16.B24@107.74,75.132
  Top Layer w0.305: X6.2@102.032,82.516 101.906,82.39 102.068,82.228 C85.2@104.242,82.228
XC2: C84.2 U16.A23 X6.1 | length 10
  Top Layer w0.254: X6.1@102.032,78.216 102.505,78.689 C84.2@104.427,78.689 104.419,78.697 104.419,79.201 104.568,79.35 105.969,79.35 106.701,78.617 106.701,75.171 U16.A23@107.24,74.632
XL1: C74.1 U16.D2 X5.1 | length 5.3
  Top Layer w0.152: X5.1@107.462,66.675 108.204,66.675 108.581,67.052 108.581,68.773 108.513,68.84 108.513,69.109 U16.D2@108.504,69.118
  Top Layer w0.203: X5.1@107.462,66.675 107.493,66.644 C74.1@107.493,64.762 ; U16.D2@108.49,69.132 U16.D2@108.504,69.118
XL2: C75.1 U16.F2 X5.2 | length 5.3
  Top Layer w0.152: U16.F2@108.976,69.118 108.967,69.109 108.967,68.84 108.868,68.742 108.868,67.047 109.24,66.675 X5.2@109.962,66.675
  Top Layer w0.203: U16.F2@108.976,69.118 U16.F2@108.99,69.132 ; X5.2@109.962,66.675 109.982,66.655 C75.1@109.982,64.762
pads on no net: C1.0 C2.0 C3.0 C4.0 C5.0 C6.0 C7.0 C8.0 C9.0 C10.0 C11.0 C12.0 C13.0 C14.0 C15.0 C16.0 C17.0 C18.0 C19.0 C20.0 C21.0 C22.0 C23.0 C24.0 C25.0 C26.0 C27.0 C28.0 C29.0 C31.0 C32.0 C33.0 C34.0 C36.0 C37.0 C38.0 C39.0 C40.0 C41.0 C42.0 C43.0 C44.0 C45.0 C46.0 C47.0 C48.0 C49.0 C50.0 C51.0 C52.0 C53.0 C54.0 C55.0 C56.0 C57.0 C58.0 C59.0 C60.0 C61.0 C63.0 C64.0 C65.0 C68.0 C70.0 C71.0 C72.0 C73.0 C74.0 C75.0 C76.0 C77.0 C78.0 C79.0 C80.0 C81.0 C82.0 C83.0 C84.0 C85.0 C86.0 C87.0 C88.0 C89.0 C90.0 C91.0 C92.0 C93.0 C94.0 C95.0 C96.0 C97.0 C98.0 C99.0 C100.0 C101.0 C102.0 C103.0 C104.0 D1.1 D2.2 D7.1 D8.2 E1.1 E1.4 E1.5 J1.3 J2.0 J3.0 L2.0 L7.0 L8.0 L9.0 LD1.2 LD2.1 P2.5 P2.6 P3.5 P3.7 P3.None P4.7 P4.9 P4.11 P4.13 P6.5 P6.7 P6.8 P6.9 P6.None P7.7 P7.8 P7.11 P7.13 R1.0 R2.0 R3.0 R4.0 R5.0 R6.0 R7.0 R8.0 R9.0 R9.2 R10.0 R11.0 R12.0 R13.0 R14.0 R15.0 R16.0 R17.0 R18.0 R19.0 R20.0 R21.0 R22.0 R23.0 R24.0 R25.0 R26.0 R27.0 R28.0 R29.0 R30.0 R31.0 R32.0 R33.0 R34.0 R35.0 R36.0 R37.0 R38.0 R39.0 R40.0 R41.0 R42.0 R43.0 R44.0 R45.0 R46.0 R47.0 R48.0 R49.0 R50.0 R51.0 R52.0 R53.0 R54.0 R55.0 R56.0 R57.0 R58.0 R59.0 R60.0 R61.0 R62.0 R74.0 R75.0 R76.0 R78.0 R80.0 R81.0 R82.0 R83.0 R84.0 R85.0 R86.0 R87.0 R95.0 R97.0 R98.0 R99.0 R100.0 R101.0 R102.0 R103.0 R104.0 R105.0 R106.0 R107.0 R150.0 T1.3 T3. T3.7 T3.8 TVS1.3 TVS1.7 U1.8 U1.11 U1.12 U1.17 U1.18 U1.19 U1.20 U1.21 U1.22 U1.23 U1.24 U1.27 U1.28 U1.29 U1.30 U1.31 U1.43 U1.46 U1.47 U1.53 U1.55 U1.63 U1.64 U1.71 U1.74 U1.75 U1.76 U1.78 U1.79 U1.80 U1.81 U1.84 U1.85 U1.87 U1.89 U1.95 U1.96 U1.97 U1.98 U1.99 U1.100 U1.101 U1.102 U1.106 U1.107 U1.108 U1.109 U1.110 U1.111 U1.112 U1.113 U1.116 U1.117 U1.118 U1.119 U1.120 U1.121 U1.122 U1.123 U1.126 U1.127 U1.128 U1.129 U1.130 U1.131 U1.133 U1.134 U1.135 U1.138 U1.139 U1.142 U1.151 U1.152 U1.153 U1.154 U1.155 U1.156 U1.157 U1.164 U1.165 U1.173 U1.174 U1.175 U1.176 U1.177 U1.178 U1.179 U1.183 U1.186 U1.187 U1.188 U1.189 U1.190 U1.191 U1.193 U1.196 U1.198 U1.199 U1.200 U1.201 U1.205 U1.206 U1.207 U1.208 U3.4 U6.12 U6.15 U6.16 U6.25 U9.4 U13.6 U16.AB2

## Polygon pours and split planes (outlines as drawn)
GND on Top Layer "Top Layer" (solid, pour order 152): 5.699,0.163 124.199,0.163 124.199,12.423 129.949,12.423 129.949,72.903 124.199,72.903 124.199,85.163 5.699,85.163 5.699,72.903 -0.051,72.903 -0.051,12.423 5.699,12.423
input_24V on Top Layer "Input_24V" (solid, pour order 136): 13.945,73.05 16.396,73.05 16.396,71.958 24.054,71.958 24.054,72.517 27.61,72.517 27.61,71.882 39.285,71.882 39.285,66.726 13.945,66.726
+3.3V on MidLayer1 "MidLayer1-+3.3V" (solid, pour order 150): 94.996,53.061 52.07,53.061 52.07,14.224 94.996,14.224
3V3 on MidLayer1 "3V3_Signal" (solid, pour order 128): 5.75,0 124.25,0 124.25,12.26 130,12.26 130,72.74 124.25,72.74 124.25,85 52.07,85 52.07,53.569 95.555,53.569 95.555,13.665 51.511,13.665 51.562,85 5.75,85 5.75,72.74 0,72.74 0,12.26 5.75,12.26
GND on MidLayer2 "5V_Signal" (solid, pour order 129): 5.75,0 124.25,0 124.25,12.26 130,12.26 130,72.746 124.25,72.74 124.25,85 5.75,85 5.766,72.74 0,72.74 0,12.26 5.75,12.26
GND on Bottom Layer "Bottom Layer" (solid, pour order 138): 0,0 130,0 130,85 0,85

## Keep-outs
Top Layer:
  lines w0.254: 0.67,0 124.25,0 124.25,12.26 130,12.26 130,72.74 129.99,72.73 124.26,72.73 124.26,84.99 124.25,85 5.75,85 5.75,72.74 0,72.74 0,12.26 5.75,12.26 5.75,0 ; 5.75,0 5.75,0
Keep-Out Layer:
  lines w0.254: 0,12.26 0,72.74 5.75,72.74 5.75,85 124.25,85 124.25,72.74 130,72.74 130,12.26 124.25,12.26 124.25,0 5.75,0 5.75,12.26 0,12.26

## Other copper
Top Layer:
  rectangle net VCCBUS: 104.699,4.683 106.426,8.366
  rectangle net VCCBUS: 112.09,4.699 113.792,8.382
  pour cut-out: 22.504,72.593 22.504,76.355 19.964,76.352 19.964,72.593
  pour cut-out: 124.206,79.604 124.206,85.041 104.877,85.021 104.877,79.604
  region net GND: 64.638,10.973 61.265,10.973 61.265,13.386 62.306,13.386 64.619,13.386
  pour cut-out: 60.452,10.693 67.966,10.693 69.647,9.37 69.647,8.18 63.373,8.128 63.373,9.995 61.29,9.995 61.29,8.598 60.452,8.598
  region net 12VOUT: 60.604,10.566 67.9,10.566 69.545,9.271 69.545,8.636 63.398,8.636 63.398,9.982 61.316,9.982 61.316,8.636 60.604,8.636
  pour cut-out: 60.579,8.128 60.579,14.606 54.102,14.6 54.102,8.128
  region net NetC29_2: 60.325,8.636 54.864,8.636 54.864,13.843 60.325,13.843
  pour cut-out: 60.528,7.29 54.61,7.29 54.61,5.232 59.284,5.232 59.842,5.791 60.528,5.791
  region net NetL1_2: 60.3,7.112 54.813,7.112 54.813,5.486 59.157,5.486 59.639,5.969 60.3,5.969
  pour cut-out: 6.223,45.568 6.223,49.227 2.159,49.223 2.159,45.568
  region net 3V3: 5.842,48.768 5.842,45.974 2.54,45.974 2.54,48.768
  region: 5.639,48.743
  region net V_POE+: 2.159,28.702 6.452,28.702 6.452,23.241 2.896,23.241 2.159,23.901
  region net V_POE-: 8.89,31.369 8.89,27.94 9.271,27.559 19.685,27.559 20.371,28.245 20.371,32.08 19.05,32.08 19.05,28.758 11.176,28.758 11.176,31.369
  pour cut-out: 12.954,69.596 12.954,74.042 8.43,74.037 8.43,69.596
  pour cut-out: 20.066,74.041 20.066,85.021 5.842,85.006 5.842,74.041
  region net VPORTP: 6.604,84.226 19.553,84.226 19.564,74.676 6.604,74.676
  region net input_24V: 13.983,73.096 18.771,73.096 18.771,71.92 24.054,71.92 24.054,72.288 27.662,72.288 27.662,71.924 39.249,71.92 39.249,66.681 13.957,66.675
  pour cut-out: 40.157,72.847 22.504,72.847 22.504,85 20.054,85 20.054,74.549 12.979,74.549 12.979,65.964 40.157,65.964
  region net VPORTP: 2.134,39.624 8.509,39.624 8.509,40.513 9.119,41.402 13.437,41.402 13.437,39.903 11.1,39.903 11.1,33.071 6.452,33.071 6.452,31.242 2.134,31.242
  pour cut-out: 0,42.215 0,28.702 12.167,28.702 12.167,39.065 14.478,39.065 14.478,42.215
MidLayer1:
  pour cut-out: 22.504,72.593 22.504,76.355 19.964,76.352 19.964,72.593
  pour cut-out: 124.206,79.604 124.206,85.041 104.877,85.021 104.877,79.604
  region net 3.3V: 104.546,78.105 106.68,78.105 106.68,76.86 105.766,76.86 105.766,68.529 106.248,67.64 115.804,67.646 117.119,68.735 117.119,75.565 118.491,75.565 118.491,67.553 116.84,66.04 106.68,66.04 106.68,65.024 103.022,65.024 103.022,67.638 104.038,67.639 104.521,68.529
  region net NetC66_1: 37.109,29.649 35.992,29.649 35.992,23.851 37.109,23.851
  region net 3V3: 37.338,29.972
  region net 3V3: 37.313,29.794
  region net +3V3: 69.549,81.534 64.491,81.534 64.491,79.994 67.183,79.973 67.183,64.98 68.671,63.119 71.018,63.119 71.628,62.509 71.628,54.61 73.908,54.61 73.908,55.88 76.708,55.88 76.708,58.166 81.864,58.166 82.525,58.75 82.55,62.23 80.874,62.23 80.874,59.309 75.819,59.309 75.438,58.928 75.438,57.15 73.152,57.15 72.898,57.404 72.898,63.652 71.984,64.567 70.056,64.567 69.549,65.229
  region net 3V3: 68.326,65.532
  region net 3V3: 68.504,65.583
  region net 3V3: 56.49,52.781
  region net 3.3_V: 43.815,22.53 44.831,22.53 44.831,31.973 43.2,33.604 37.744,33.604 35.992,31.852 31.36,31.886 30.709,31.234 30.709,30.607 30.709,24.003 31.852,24.003 31.865,30.142 32.029,30.429 32.385,30.607 36.474,30.607 38.43,32.563 42.596,32.563 43.79,31.369 43.79,28.829 41.046,28.829 41.046,27.28 41.885,27.28 41.885,28.059 43.815,28.059
MidLayer2:
  pour cut-out: 22.504,72.593 22.504,76.355 19.964,76.352 19.964,72.593
  pour cut-out: 124.206,79.604 124.206,85.041 104.877,85.021 104.877,79.604
Bottom Layer:
  pour cut-out: 22.504,72.593 22.504,76.355 19.964,76.352 19.964,72.593
  pour cut-out: 124.206,79.604 124.206,85.041 104.877,85.021 104.877,79.604
  region net VCCBUS: 113.944,8.238 113.944,4.699 36.576,4.699 36.576,10.16 43.307,10.16 43.307,8.052
  region net VPORTP: 4.064,37.846 45.974,37.846 48.006,35.814 48.006,8.763 44.704,8.763 44.704,33.604 44.018,34.29 4.064,34.29
  region net VPORTP: 2.032,39.624 11.43,39.624 11.43,33.071 2.032,33.071
  region net VPORTP: 6.604,35.433 6.604,84.226 19.558,84.226 19.558,81.407 11.418,81.407 11.43,35.433
  pour cut-out: 0.076,41.529 0.076,28.956 12.471,28.956 12.471,41.529

## Silkscreen, mask and mechanical layers (free items; w line width, h text height)
Top Overlay:
  drawing of 192 lines, arcs and shapes, not listed
  text "Ant 2.4GHZ" at 123.114,79.705 h0.54 r90
  text "Micro SD Card" at 51.613,76.606 h0.6 r90
  text "External Power Supply  24V" at 18.872,68.301 h0.6
  text "5VON" at 92.126,66.497 h1 r90
  text "NRFON" at 94.336,65.811 h1
  text "1V8ON" at 54.635,64.77 h1
  text "NRF-MCU TRACE interface" at 96.456,62.306 h0.76
  text "P7:" at 94.094,62.255 h0.89
  text "20" at 118.453,61.036 h0.6
  text "DIO DCK SWO NC  RST TCK TD0 TD1 TD2 TD3" at 94.344,61.025 h0.6
  text "3V3 GND GND NC  GND NC  NC  GND GND GND" at 94.344,59.825 h0.6
  text "1" at 93.307,59.766 h0.6
  text "6" at 109.245,58.649 h0.6 r90
  text "3V3OUT" at 5.537,52.603 h1 r90
  text "USBON" at 69.164,52.375 h1
  text "TDI CLK SWO" at 109.195,51.537 h0.6 r90
  text "TRST" at 109.195,48.793 h0.6 r90
  text "VCC DIO GND CLK NC" at 108.009,46.747 h0.6 r90
  text "RST" at 109.195,46.711 h0.6 r90
  text "P6: NRF Prog." at 106.756,46.584 h0.6 r90
  text "1" at 107.95,45.923 h0.6 r90
  text "+" at 38.803,44.449 h15
  text "6" at 99.497,43.619 h0.6 r90
  text "MADE IN SWITZERLAND" at 27.239,42.649 h0.9
  text "6" at 109.195,42.469 h0.6 r90
  text "3V3ON" at 6.223,40.208 h1
  text "GND RX  GND" at 98.111,36.502 h0.6 r90
  text "RTS CTS TX" at 99.311,36.502 h0.6 r90
  text "P8: MCU UART" at 96.678,36.228 h0.6 r90
  text "1" at 97.922,35.567 h0.6 r90
  text "TDI  NC SWO" at 109.169,35.331 h0.6 r90
  text "6" at 99.466,34.823 h0.6 r90
  text "TRST" at 109.169,32.512 h0.6 r90
  text "VCC DIO GND CLK NC" at 107.95,30.429 h0.6 r90
  text "RST" at 109.169,30.429 h0.6 r90
  text "P3: MCU Prog." at 106.731,30.328 h0.6 r90
  text "1" at 107.95,29.464 h0.6 r90
  text "RTS CTS TX" at 99.28,27.707 h0.6 r90
  text "GND RX  GND" at 98.12,27.686 h0.6 r90
  text "P5: NRF UART" at 96.647,27.432 h0.6 r90
  text "1" at 97.892,26.772 h0.6 r90
  text "LANON" at 47.676,26.543 h1 r90
  text "STM32ON" at 51.968,26.467 h1 r90
  text "20" at 119.177,25.832 h0.6 r90
  text "Power Over Ethernet" at 15.621,23.774 h0.6
  text "Fuse" at 3.073,23.534 h0.6
  text "12VON" at 52.222,14.3 h1
  text "RS485 With VCCBUS" at 104.877,9.042 h0.54
  text "6" at 104.054,7.986 h0.54
  text "2V2ON" at 81.102,4.775 h1 r90
  text "OLED-Display" at 69.291,4.394 h0.6
  text "STM32-MCU JTRACE interface" at 117.881,3.835 h0.76 r90
  text "TMS TCK TDO TDI RST TCK TD0 TD1 TD2 TD3" at 119.172,1.723 h0.6 r90
  text "3V3 GND GND NC  NC  NC  NC  GND GND GND" at 120.372,1.723 h0.6 r90
  text "P4:" at 117.932,1.423 h0.89 r90
  text "1" at 120.371,0.686 h0.6 r90
Bottom Overlay:
  lines w0.5: 32.409,21.306 32.409,35.306 ; 97.409,21.306 97.409,35.306
  text "IT_Asset_Tracking_Rack_Controller                     PCB VERSION   0.1               PCB ASSEMBLY  #######                     COMPLETE UNIT #######                 #######" at 96.012,51.562 h0.9
  text "Serialnumber Sticker Area" at 91.694,25.607 h2
Board Cutouts:
  lines w0.254: 0,0 5.75,0 5.75,12.26 0,12.26 0,0 ; 0,72.74 5.75,72.74 5.75,85 0,85 0,72.74 ; 124.25,0 130,0 130,12.26 124.25,12.26 124.25,0 ; 124.25,72.74 130,72.74 130,85 124.25,85 124.25,72.74
  text "Units: Millimeter" at 91.875,-12 h2.5
Mechanical 13:
  lines w0.254: 0,72.74 0,12.26 5.75,12.26 5.75,0 124.25,0 ; 0,72.74 0,72.74 ; 0,72.74 5.75,72.74 5.75,85 124.25,85 ; 124.25,0 124.25,12.26 130,12.26 ; 124.25,0 124.25,0 ; 124.25,85 124.25,85 ; 124.25,85 124.25,72.74 130,72.74 130,12.26 ; 130,12.26 130,12.26
Board Dimensions:
  circle w0.254: c127.125,66 r1.6
  circle w0.2: c0,0 r2
  lines w0.1: 0,71 0,85 6.5,85
  lines w0.254: -0.356,-7.341 0.406,-6.579 ; 0,0 0,-7 2.877,-7 ; 2.496,-7.381 3.258,-6.619 ; 2.875,-7 2.875,19
  text "Drill-hole diameter" at 133.575,68.375 h2.5
  text "2.875" at -4.045,-11.92 h2.5

## Dimensions
1.3,19 to -7.825,0 on Mechanical 16
127.125,66 to 150.5,65.225 on Mechanical 16
0,72.74 to 0,85 on Board Cutouts
0,0 to 0,85 on Board Cutouts
0,0 to -1,66 on Mechanical 16
0,85 to 130.001,72.73 on Mechanical 16
0,0 to 0,72.74 on Mechanical 16

## Text inside footprints (layer, text, board x,y; h text height)
C35: Top Overlay "+" at 61.193,78.921 h0.5 r90; Mechanical 13 "+" at 61.193,78.921 h0.5 r90; Mechanical 15 "+" at 61.193,78.921 h0.5 r90
C48: Top Overlay "+" at 57.135,57.326 h0.65 r180; Mechanical 13 "+" at 57.135,57.326 h0.65 r180; Mechanical 15 "+" at 57.135,57.326 h0.65 r180
C66: Top Overlay "+" at 38.811,21.387 h0.8 r270; Mechanical 13 "+" at 38.811,21.387 h0.8 r270; Mechanical 15 "+" at 38.811,21.387 h0.8 r270
C67: Top Overlay "+" at 43.637,21.387 h0.8 r270; Mechanical 13 "+" at 43.637,21.387 h0.8 r270; Mechanical 15 "+" at 43.637,21.387 h0.8 r270
J1: Top Overlay "3" at 20.32,76.86 h0.5; Top Overlay "1" at 27.813,69.545 h0.5; Mechanical 15 "1" at 27.813,69.545 h0.5; Mechanical 15 "3" at 20.32,76.86 h0.5
J2: Top Overlay "1" at 114.097,8.001 h0.5; Mechanical 15 "1" at 113.498,8.085 h0.5 r180
J3: Top Overlay "1" at 76.244,9.666 h0.3 r180
P2: Top Overlay "-" at 81.024,69.393 h0.6; Top Overlay "+" at 76.657,69.438 h0.6; Top Overlay "GND" at 72.974,69.088 h0.6; Top Overlay "1" at 83.604,69.144 h0.6; Mechanical 13 "1" at 84.531,68.493 h0.6; Mechanical 15 "1" at 84.531,68.493 h0.6
P4: Top Overlay "20" at 120.373,40.584 h0.8 r270; Top Overlay "1" at 128.353,24.854 h0.8 r90
P5: Top Overlay "6" at 100.863,25.425 h0.4 r90; Top Overlay "1" at 96.977,18.313 h0.4 r90
P7: Top Overlay "1" at 128.353,46.19 h0.8 r90; Top Overlay "20" at 120.373,61.92 h0.8 r270
P8: Top Overlay "1" at 96.977,44.069 h0.4 r90; Top Overlay "6" at 100.863,51.181 h0.4 r90
Q2: Mechanical 15 "G" at 46.66,4.724 h1 r90; Mechanical 15 "S" at 46.66,9.296 h1 r90; Mechanical 15 "D" at 40.284,7.061 h1 r90
SD1: Top Overlay "1" at 37.897,84.226 h0.5 r180
T1: Top Overlay "1" at 64.287,75.286 h0.38; Mechanical 15 "C" at 65.178,78.056 h0.25; Mechanical 15 "E" at 66.178,77.006 h0.25; Mechanical 15 "B" at 64.252,77.006 h0.25
T3: Top Overlay "14" at 28.321,5.842 h0.7 r180; Top Overlay "13" at 25.527,5.842 h0.7 r180; Top Overlay "11" at 14.859,5.842 h0.7 r180; Top Overlay "12" at 17.526,5.842 h0.7 r180; Top Overlay "9" at 27.305,20.574 h0.7 r180; Top Overlay "2" at 15.367,18.034 h0.7 r180; Top Overlay "1" at 14.097,20.574 h0.7 r180
U1: Mechanical 13 "RefDes2" at 75.692,33.02 h1.27; Mechanical 13 "*" at 61.976,46.02 h1.27
U7: Top Overlay "1" at 65.075,56.81 h0.5 r90; Mechanical 13 "1" at 65.176,56.566 h0.5 r90; Mechanical 15 "1" at 65.176,56.566 h0.5 r90
U9: Top Overlay "1" at 36.985,25.19 h0.8; Mechanical 15 "25" at 39.7,27.635 h0.65 r90; Mechanical 15 "18" at 37.887,30.39 h0.65 r180; Mechanical 15 "13" at 40.387,30.39 h0.65 r180; Mechanical 15 "19" at 36.812,28.915 h0.65 r90; Mechanical 15 "12" at 41.312,28.915 h0.65 r90; Mechanical 15 "24" at 36.812,26.365 h0.65 r90; Mechanical 15 "7" at 41.312,26.54 h0.65 r90; Mechanical 15 "1" at 37.537,25.465 h0.65; Mechanical 15 "6" at 39.987,25.49 h0.65